# KiCad board ZX-Spectrum-Pentagon.kicad_pcb (continued)
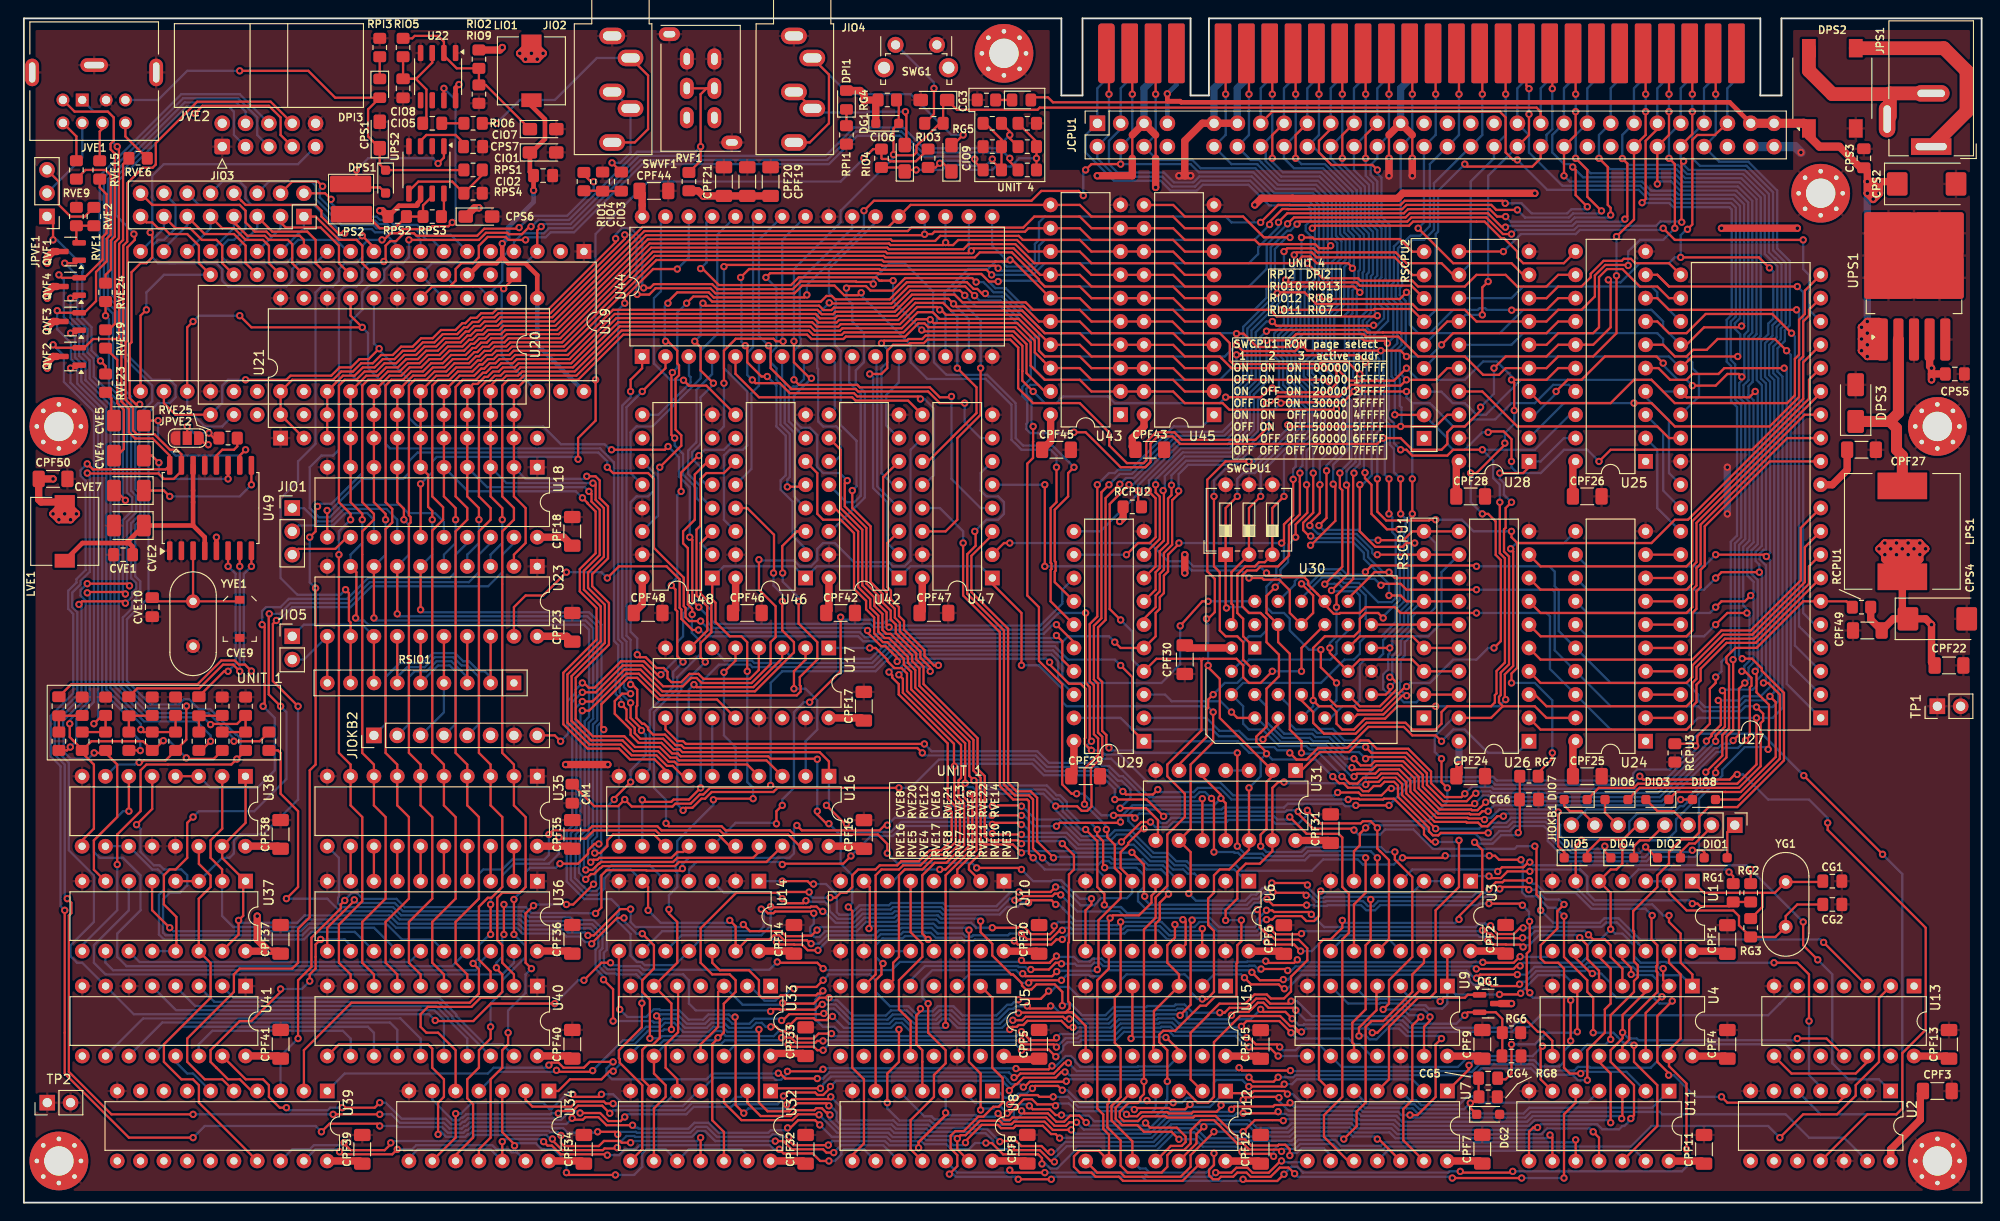
[diagram p0: board, top side]
## Library data of the parts
CG1 CG2 CG5 CG6 CIO2-CIO5 CIO8 CM1 CPF1-CPF50 CPS3 CPS5 CPS7 CVE1 CVE3 CVE6 CVE8 CVE10 = -: Description: Unpolarized capacitor; ki_fp_filters: C_*
CG3 CIO1 CIO6 CIO7 CIO9 CPS1 CPS2 CPS4 CPS6 CVE2 CVE4 CVE5 CVE7 = -: Description: Polarized capacitor; ki_fp_filters: CP_*
CG4 = -: Description: Unpolarized capacitor; Sim.Device: SPICE; Sim.Params: type="R" model="" lib=""; Sim.Pins: 1=1 2=2; ki_fp_filters: C_*
CVE9 = -: Description: Trimmable capacitor
DG1 DG2 DIO1-DIO8 DPS1 DPS3 = -: Description: Diode; Sim.Device: D; Sim.Pins: 1=K 2=A; ki_fp_filters: TO-???* *_Diode_* *SingleDiode* D_*
DPI1-DPI3 = -: Description: Light emitting diode; ki_fp_filters: LED* LED_SMD:* LED_THT:*
DPS2 = -: Description: Diode bridge, +ve/-ve/AC/AC; ki_fp_filters: D*Bridge* D*Rectifier*
H1-H6 = -: Description: Mounting Hole with connection; ki_fp_filters: MountingHole*Pad*
JCPU1 = -: Description: Generic connector, double row, 02x30, odd/even pin numbering scheme (row 1 odd numbers, row 2 even numbers), script generated (kicad-library-utils/schlib/autogen/connector/); ki_fp_filters: Connector*:*_2x??_*
JIO1 JPVE1 = -: Description: Generic connector, single row, 01x03, script generated; ki_fp_filters: Connector*:*_1x??_*
JIO2 JIO4 = -: Description: Audio Jack, 2 Poles (Mono / TS), Grounded Sleeve, Switched Pole (Normalling); ki_fp_filters: Jack*
JIO3 = -: Description: Generic connector, double row, 02x08, odd/even pin numbering scheme (row 1 odd numbers, row 2 even numbers), script generated (kicad-library-utils/schlib/autogen/connector/); ki_fp_filters: Connector*:*_2x??_*
JIO5 = -: Description: Generic connector, single row, 01x02, script generated; ki_fp_filters: Connector*:*_1x??_*
JIOKB1 JIOKB2 = -: Description: Generic connector, single row, 01x08, script generated; ki_fp_filters: Connector*:*_1x??_*
JPVE2 = -: Description: Solder Jumper, 3-pole, open; ki_fp_filters: SolderJumper*Open*
JVE1 = -: Datasheet: https://eu.mouser.com/datasheet/2/670/md_sm_series-1778126.pdf
JVE2 = -: Description: Generic connector, double row, 02x05, odd/even pin numbering scheme (row 1 odd numbers, row 2 even numbers), script generated (kicad-library-utils/schlib/autogen/connector/); ki_fp_filters: Connector*:*_2x??_*
LIO1 LPS1 LPS2 LVE1 = -: Description: Inductor; ki_fp_filters: Choke_* *Coil* Inductor_* L_*
QG1 QVF1-QVF4 = -: Datasheet: https://www.farnell.com/datasheets/79215.pdf
RCPU1-RCPU3 RG1-RG8 RIO1-RIO13 RPI1-RPI3 RPS1-RPS4 RVE1-RVE24 RVF1 = -: Description: Resistor; ki_fp_filters: R_*
RVE25 = -: Description: Resistor; SMD_CODE: 103; ki_fp_filters: R_*
SWCPU1 = -: Description: 3x DIP Switch, Single Pole Single Throw (SPST) switch, small symbol
SWG1 = -: Description: Push button switch, generic, two pins
TP1 TP2 = -: Description: 2-polar test point; ki_fp_filters: Pin* Test*
U1 U7 = -: Datasheet: https://www.ti.com/lit/ug/scyd013b/scyd013b.pdf; Description: Hex Inverters; ki_fp_filters: *DIP*14*W7.62mm *SO*14*
U2 U14 = -: Datasheet: https://www.ti.com/lit/ug/scyd013b/scyd013b.pdf; Description: 2-ch. 4-bit Binary Counters; ki_fp_filters: *DIP*14*W7.62mm *SO*14*
U3 = -: Datasheet: https://www.ti.com/lit/ug/scyd013b/scyd013b.pdf; Description: Hex Schmitt-Trigger Inverters; ki_fp_filters: *DIP*14*W7.62mm *SO*14*
U4 = -: Datasheet: https://www.ti.com/lit/ug/scyd013b/scyd013b.pdf; Description: Triple 3-Input Positive-AND Gates; ki_fp_filters: *DIP*14*7.62mm *SO*14*
U5 U10 = -: Datasheet: https://www.ti.com/lit/ug/scyd013b/scyd013b.pdf; Description: 4-bit Synchronous Up/Down Counters (Dual Clock With Clear); ki_fp_filters: *DIP*16*W7.62mm *SO*16*
U6 U17 U42 U46-U48 = -: Datasheet: https://www.ti.com/lit/ug/scyd013b/scyd013b.pdf; Description: Quadruple 2-Line To 1-Line Data Selectors/Multiplexers With 3-State Outputs; ki_fp_filters: *DIP*16*W7.62mm* *SO*16*
U8 U32 = -: Datasheet: https://www.ti.com/lit/ug/scyd013b/scyd013b.pdf; Description: Quadruple 2-Input Positive-NAND Gates; ki_fp_filters: **DIP*14*W7.62mm* *SO*14*
U9 = -: Datasheet: https://www.ti.com/lit/ug/scyd013b/scyd013b.pdf; Description: Quadruple 2-Input Exclusive-OR Gates; ki_fp_filters: *DIP*14*W7.62mm* *SO*14*
U11 = -: Datasheet: https://www.ti.com/lit/ug/scyd013b/scyd013b.pdf; Description: Quadruple 2-Input Positive-NOR Gates; ki_fp_filters: **DIP*14*W7.62mm* *SO*14*
U12 U34 = -: Datasheet: https://www.ti.com/lit/ug/scyd013b/scyd013b.pdf; Description: Quadruple 2-Input Positive-AND Gates; ki_fp_filters: *DIP*14*W7.62mm* *SO*14*
U13 U15 U33 = -: Datasheet: https://www.ti.com/lit/ug/scyd013b/scyd013b.pdf; Description: Dual D-Type Positive-Edge-Triggered Flip-Flops With Clear And Preset; ki_fp_filters: *DIP*14*W7.62mm *SO*14*
U16 = -: Datasheet: https://www.ti.com/lit/ug/scyd013b/scyd013b.pdf; Description: 8-ch. D-Type Flip-Flops With Clear; ki_fp_filters: *DIP*20*W7.62mm* *SO*20*
U18 U35 U36 U40 U45 = -: Datasheet: https://www.ti.com/lit/ug/scyd013b/scyd013b.pdf; Description: Octal Edge-Triggered D-Type Flip-flops With 3-State Outputs; ki_fp_filters: *DIP*20*W7.62mm* *SO*20*
U19 = -: Datasheet: https://pdf1.alldatasheet.com/datasheet-pdf/view/166797/ETC1/AY-3-8910/+0W5J-9VwSwJbDbEYG.hvv+/datasheet.pdf; Description: Programmable Sound Generator; ki_fp_filters: DIP40*W15.24mm
U20 = -: Datasheet: https://pdf1.alldatasheet.com/datasheet-pdf/view/166797/ETC1/AY-3-8910/+0W5J-9VwSwJbDbEYG.hvv+/datasheet.pdf; Description: Programmable Sound Generator; ki_fp_filters: DIP28*W15.24mm
U21 = -: Datasheet: https://pdf1.alldatasheet.com/datasheet-pdf/view/166797/ETC1/AY-3-8910/+0W5J-9VwSwJbDbEYG.hvv+/datasheet.pdf; Description: Programmable Sound Generator; ki_fp_filters: DIP24*W15.24mm
U22 = -: Datasheet: https://www.st.com/resource/en/datasheet/lm311.pdf; Description: Voltage Comparator, DIP-8/SOIC-8; ki_fp_filters: SOIC*3.9x4.9mm*P1.27mm* DIP*W7.62mm*
U23-U26 U43 = -: Datasheet: https://www.ti.com/lit/ug/scyd013b/scyd013b.pdf; Description: Octal Bus Transceivers With 3-State Outputs; ki_fp_filters: *DIP*20*W7.62mm* *SO*20*
U27 = -: Datasheet: www.zilog.com/manage_directlink.php?filepath=docs/z80/um0080; Description: 8-Bit General Purpose Microprocessor; ki_fp_filters: DIP* PDIP*
U28 = -: Datasheet: https://www.ti.com/lit/ug/scyd013b/scyd013b.pdf; Description: Octal Buffers/Drivers With 3-State Outputs; ki_fp_filters: *DIP*20*W7.62mm* *SO*20*
U29 U39 = -: Datasheet: https://www.latticesemi.com/-/media/LatticeSemi/Documents/DataSheets/GAL/GAL16V8DataSheet.ashx?document_id=106
U30 = -: Description: Generic Flash ROM 4Mbit(512Kbx8)
U31 = -: Datasheet: https://www.ti.com/lit/ug/scyd013b/scyd013b.pdf; Description: Quadruple 2-Input Positive-OR Gates; ki_fp_filters: *DIP*14*W7.62mm* *SO*14*
U37 U38 = -: Datasheet: https://www.ti.com/lit/ug/scyd013b/scyd013b.pdf; Description: Dual 4-Line To 1-Line Data Selectors/Multiplexers; ki_fp_filters: *DIP*16*W7.62mm* *SO*16*
U41 = -: Datasheet: https://www.ti.com/lit/ug/scyd013b/scyd013b.pdf; Description: 8-bit Parallel-Load Shift Registers; ki_fp_filters: **DIP*16*W7.62mm* *SO*16*
U44 = -: Description: Static Random Access Memory 4Mbit(512BX8); ki_fp_filters: *DIP*32*15.24*
U49 = -: Datasheet: https://www.analog.com/media/en/technical-documentation/data-sheets/AD724.pdf; Description: RGB to NTSC/PAL Encoder
UPS1 = -: Datasheet: http://www.ti.com/lit/ds/symlink/lm2596.pdf; Description: 5.0V 3A Step-Down Voltage Regulator, TO-263; ki_fp_filters: TO*263
UPS2 = -: Datasheet: http://www.onsemi.com/pub_link/Collateral/MC34063A-D.PDF; Description: 1.5A, step-up/down/inverting switching regulator, 3-40V Vin, 100kHz; ki_fp_filters: DIP*W7.62mm*
YG1 YVE1 = -: Description: Two pin crystal; ki_fp_filters: Crystal*

## Footprints (pads in the part's own frame, mm; a bottom-side part is the same pattern mirrored in y, then rotated)
BarrelJack_Wuerth_6941xx301002
  rect 4.4x1.8 hole 3.4x0.8: 1(0,0)
  oval 4x1.8 hole 3x0.8: 2(0,-5.8)
  oval 1.8x4 hole 0.8x3: 3(4.8,-3)
C_0805_2012Metric_Pad1.18x1.45mm_HandSolder
  rrect 1.175x1.45 smd: 1(-1.038,0) 2(1.038,0)
C_1206_3216Metric_Pad1.33x1.80mm_HandSolder
  rrect 1.325x1.8 smd: 1(-1.562,0) 2(1.562,0)
C_Trimmer_Murata_TZC3
  rect 0.85x1 smd: 1(-2.075,0) 2(2.075,0)
CD43
  rrect 4.5x1.8 smd: 1(0,1.65) 2(0.1,-1.65)
CP_EIA-3216-18_Kemet-A_Pad1.58x1.35mm_HandSolder
  rrect 1.575x1.35 smd: 1(-1.438,0) 2(1.438,0)
CP_EIA-3528-21_Kemet-B_Pad1.50x2.35mm_HandSolder
  rrect 1.5x2.35 smd: 1(-1.625,0) 2(1.625,0)
CP_EIA-7343-31_Kemet-D_Pad2.25x2.55mm_HandSolder
  rrect 2.25x2.55 smd: 1(-3.2,0) 2(3.2,0)
Crystal_HC49-U_Vertical
  round 1.5 hole 0.8: 1(0,0) 2(4.88,0)
CUI_MD-80SMK
  rect 1.408x1.408 hole 0.9: 1(0,0)
  round 1.408 hole 0.9: 2(2.6,0) 3(-2.1,0) 4(0,-2.5) 5(4.7,0) 6(-2.1,-2.5) 7(2.2,-2.5) 8(4.7,-2.5)
  oval 1.5x3 hole 0.7x2.2: S1(-5.45,3) S2(8.05,3)
  oval 3x1.5 hole 2.2x0.7: S3(1.3,3.8)
D_SMA
  rrect 2.5x1.8 smd: 1(-2,0) 2(2,0)
D_SOD-323_HandSoldering
  rrect 1x1 smd: 1(-1.25,0) 2(1.25,0)
Diode_Bridge_Vishay_DFS
  rect 2x1.5 smd: 1(-4.37,2.55) 2(-4.37,-2.55) 3(4.37,-2.55) 4(4.37,2.55)
DIP-14_W7.62mm
  rect 1.6x1.6 hole 0.8: 1(0,0)
  oval 1.6x1.6 hole 0.8: 2(0,-2.54) 3(0,-5.08) 4(0,-7.62) 5(0,-10.16) 6(0,-12.7) 7(0,-15.24) 8(7.62,-15.24) 9(7.62,-12.7) 10(7.62,-10.16) 11(7.62,-7.62) 12(7.62,-5.08) 13(7.62,-2.54) 14(7.62,0)
DIP-16_W7.62mm
  rect 1.6x1.6 hole 0.8: 1(0,0)
  oval 1.6x1.6 hole 0.8: 2(0,-2.54) 3(0,-5.08) 4(0,-7.62) 5(0,-10.16) 6(0,-12.7) 7(0,-15.24) 8(0,-17.78) 9(7.62,-17.78) 10(7.62,-15.24) 11(7.62,-12.7) 12(7.62,-10.16) 13(7.62,-7.62) 14(7.62,-5.08) 15(7.62,-2.54) 16(7.62,0)
DIP-20_W7.62mm
  rect 1.6x1.6 hole 0.8: 1(0,0)
  oval 1.6x1.6 hole 0.8: 2(0,-2.54) 3(0,-5.08) 4(0,-7.62) 5(0,-10.16) 6(0,-12.7) 7(0,-15.24) 8(0,-17.78) 9(0,-20.32) 10(0,-22.86) 11(7.62,-22.86) 12(7.62,-20.32) 13(7.62,-17.78) 14(7.62,-15.24) 15(7.62,-12.7) 16(7.62,-10.16) 17(7.62,-7.62) 18(7.62,-5.08) 19(7.62,-2.54) 20(7.62,0)
DIP-24_W15.24mm
  rect 1.6x1.6 hole 0.8: 1(0,0)
  oval 1.6x1.6 hole 0.8: 2(0,-2.54) 3(0,-5.08) 4(0,-7.62) 5(0,-10.16) 6(0,-12.7) 7(0,-15.24) 8(0,-17.78) 9(0,-20.32) 10(0,-22.86) 11(0,-25.4) 12(0,-27.94) 13(15.24,-27.94) 14(15.24,-25.4) 15(15.24,-22.86) 16(15.24,-20.32) 17(15.24,-17.78) 18(15.24,-15.24) 19(15.24,-12.7) 20(15.24,-10.16) 21(15.24,-7.62) 22(15.24,-5.08) 23(15.24,-2.54) 24(15.24,0)
DIP-28_W15.24mm
  rect 1.6x1.6 hole 0.8: 1(0,0)
  oval 1.6x1.6 hole 0.8: 2(0,-2.54) 3(0,-5.08) 4(0,-7.62) 5(0,-10.16) 6(0,-12.7) 7(0,-15.24) 8(0,-17.78) 9(0,-20.32) 10(0,-22.86) 11(0,-25.4) 12(0,-27.94) 13(0,-30.48) 14(0,-33.02) 15(15.24,-33.02) 16(15.24,-30.48) 17(15.24,-27.94) 18(15.24,-25.4) 19(15.24,-22.86) 20(15.24,-20.32) 21(15.24,-17.78) 22(15.24,-15.24) 23(15.24,-12.7) 24(15.24,-10.16) 25(15.24,-7.62) 26(15.24,-5.08) 27(15.24,-2.54) 28(15.24,0)
DIP-32_W15.24mm
  rect 1.6x1.6 hole 0.8: 1(0,0)
  oval 1.6x1.6 hole 0.8: 2(0,-2.54) 3(0,-5.08) 4(0,-7.62) 5(0,-10.16) 6(0,-12.7) 7(0,-15.24) 8(0,-17.78) 9(0,-20.32) 10(0,-22.86) 11(0,-25.4) 12(0,-27.94) 13(0,-30.48) 14(0,-33.02) 15(0,-35.56) 16(0,-38.1) 17(15.24,-38.1) 18(15.24,-35.56) 19(15.24,-33.02) 20(15.24,-30.48) 21(15.24,-27.94) 22(15.24,-25.4) 23(15.24,-22.86) 24(15.24,-20.32) 25(15.24,-17.78) 26(15.24,-15.24) 27(15.24,-12.7) 28(15.24,-10.16) 29(15.24,-7.62) 30(15.24,-5.08) 31(15.24,-2.54) 32(15.24,0)
DIP-40_W15.24mm
  rect 1.6x1.6 hole 0.8: 1(0,0)
  oval 1.6x1.6 hole 0.8: 2(0,-2.54) 3(0,-5.08) 4(0,-7.62) 5(0,-10.16) 6(0,-12.7) 7(0,-15.24) 8(0,-17.78) 9(0,-20.32) 10(0,-22.86) 11(0,-25.4) 12(0,-27.94) 13(0,-30.48) 14(0,-33.02) 15(0,-35.56) 16(0,-38.1) 17(0,-40.64) 18(0,-43.18) 19(0,-45.72) 20(0,-48.26) 21(15.24,-48.26) 22(15.24,-45.72) 23(15.24,-43.18) 24(15.24,-40.64) 25(15.24,-38.1) 26(15.24,-35.56) 27(15.24,-33.02) 28(15.24,-30.48) 29(15.24,-27.94) 30(15.24,-25.4) 31(15.24,-22.86) 32(15.24,-20.32) 33(15.24,-17.78) 34(15.24,-15.24) 35(15.24,-12.7) 36(15.24,-10.16) 37(15.24,-7.62) 38(15.24,-5.08) 39(15.24,-2.54) 40(15.24,0)
EDGE_28M5-2.54
  rrect 1.8x6.5 smd far side: A1(-34.29,0) A2(-31.75,0) A3(-29.21,0) A4(-26.67,0) A6(-21.59,0) A7(-19.05,0) A8(-16.51,0) A9(-13.97,0) A10(-11.43,0) A11(-8.89,0) A12(-6.35,0) A13(-3.81,0) A14(-1.27,0) A15(1.27,0) A16(3.81,0) A17(6.35,0) A18(8.89,0) A19(11.43,0) A20(13.97,0) A21(16.51,0) A22(19.05,0) A23(21.59,0) A24(24.13,0) A25(26.67,0) A26(29.21,0) A27(31.75,0) A28(34.29,0)
  rrect 1.8x6.5 smd: B1(-34.29,0) B2(-31.75,0) B3(-29.21,0) B4(-26.67,0) B6(-21.59,0) B7(-19.05,0) B8(-16.51,0) B9(-13.97,0) B10(-11.43,0) B11(-8.89,0) B12(-6.35,0) B13(-3.81,0) B14(-1.27,0) B15(1.27,0) B16(3.81,0) B17(6.35,0) B18(8.89,0) B19(11.43,0) B20(13.97,0) B21(16.51,0) B22(19.05,0) B23(21.59,0) B24(24.13,0) B25(26.67,0) B26(29.21,0) B27(31.75,0) B28(34.29,0)
IDC-Header_2x05_P2.54mm_Horizontal
  rrect 1.7x1.7 hole 1: 1(0,0)
  round 1.7 hole 1: 2(2.54,0) 3(0,-2.54) 4(2.54,-2.54) 5(0,-5.08) 6(2.54,-5.08) 7(0,-7.62) 8(2.54,-7.62) 9(0,-10.16) 10(2.54,-10.16)
Jack_3.5mm_CUI_SJ1-3535NG_Horizontal
  oval 2.8x1.8 hole 2x1: R(2,-7.9) RN(0,-6.1) S(0,0) T(2,-2.4) TN(0,-11.6)
L_7.3x7.3_H4.5
  rect 1.5x2.2 smd: 1(-3.2,0) 2(3.2,0)
L_12x12mm_H6mm
  rect 2.9x5.4 smd: 1(-4.95,0) 2(4.95,0)
LED_0805_2012Metric_Pad1.15x1.40mm_HandSolder
  rrect 1.15x1.4 smd: 1(-1.025,0) 2(1.025,0)
MountingHole_3.2mm_M3_Pad_Via
  round 0.8 hole 0.5: 1(-2.4,0) 1(-1.697,1.697) 1(-1.697,-1.697) 1(0,2.4) 1(0,-2.4) 1(1.697,1.697) 1(1.697,-1.697) 1(2.4,0)
  round 6.4 hole 3.2: 1(0,0)
PinHeader_1x02_P2.54mm_Vertical
  rect 1.7x1.7 hole 1: 1(0,0)
  oval 1.7x1.7 hole 1: 2(0,-2.54)
PinHeader_1x03_P2.54mm_Vertical
  rect 1.7x1.7 hole 1: 1(0,0)
  oval 1.7x1.7 hole 1: 2(0,-2.54) 3(0,-5.08)
PinHeader_1x08_P2.54mm_Vertical
  rect 1.7x1.7 hole 1: 1(0,0)
  oval 1.7x1.7 hole 1: 2(0,-2.54) 3(0,-5.08) 4(0,-7.62) 5(0,-10.16) 6(0,-12.7) 7(0,-15.24) 8(0,-17.78)
PinSocket_2x08_P2.54mm_Vertical
  rect 1.7x1.7 hole 1: 1(0,0)
  oval 1.7x1.7 hole 1: 2(-2.54,0) 3(0,-2.54) 4(-2.54,-2.54) 5(0,-5.08) 6(-2.54,-5.08) 7(0,-7.62) 8(-2.54,-7.62) 9(0,-10.16) 10(-2.54,-10.16) 11(0,-12.7) 12(-2.54,-12.7) 13(0,-15.24) 14(-2.54,-15.24) 15(0,-17.78) 16(-2.54,-17.78)
PinSocket_2x30_P2.54mm_Vertical
  rect 1.7x1.7 hole 1: 1(1.27,36.83)
  oval 1.7x1.7 hole 1: 2(-1.27,36.83) 3(1.27,34.29) 4(-1.27,34.29) 5(1.27,31.75) 6(-1.27,31.75) 7(1.27,29.21) 8(-1.27,29.21) 11(1.27,24.13) 12(-1.27,24.13) 13(1.27,21.59) 14(-1.27,21.59) 15(1.27,19.05) 16(-1.27,19.05) 17(1.27,16.51) 18(-1.27,16.51) 19(1.27,13.97) 20(-1.27,13.97) 21(1.27,11.43) 22(-1.27,11.43) 23(1.27,8.89) 24(-1.27,8.89) 25(1.27,6.35) 26(-1.27,6.35) 27(1.27,3.81) 28(-1.27,3.81) 29(1.27,1.27) 30(-1.27,1.27) 31(1.27,-1.27) 32(-1.27,-1.27) 33(1.27,-3.81) 34(-1.27,-3.81) 35(1.27,-6.35) 36(-1.27,-6.35) 37(1.27,-8.89) 38(-1.27,-8.89) 39(1.27,-11.43) 40(-1.27,-11.43) 41(1.27,-13.97) 42(-1.27,-13.97) 43(1.27,-16.51) 44(-1.27,-16.51) 45(1.27,-19.05) 46(-1.27,-19.05) 47(1.27,-21.59) 48(-1.27,-21.59) 49(1.27,-24.13) 50(-1.27,-24.13) 51(1.27,-26.67) 52(-1.27,-26.67) 53(1.27,-29.21) 54(-1.27,-29.21) 55(1.27,-31.75) 56(-1.27,-31.75) 57(1.27,-34.29) 58(-1.27,-34.29) 59(1.27,-36.83) 60(-1.27,-36.83)
PLCC-32_THT-Socket
  rect 1.422x1.422 hole 0.8: 1(0,0)
  round 1.422 hole 0.8: 2(-2.54,2.54) 3(-2.54,0) 4(-5.08,2.54) 5(-7.62,0) 6(-5.08,0) 7(-7.62,-2.54) 8(-5.08,-2.54) 9(-7.62,-5.08) 10(-5.08,-5.08) 11(-7.62,-7.62) 12(-5.08,-7.62) 13(-7.62,-10.16) 14(-5.08,-12.7) 15(-5.08,-10.16) 16(-2.54,-12.7) 17(-2.54,-10.16) 18(0,-12.7) 19(0,-10.16) 20(2.54,-12.7) 21(5.08,-10.16) 22(2.54,-10.16) 23(5.08,-7.62) 24(2.54,-7.62) 25(5.08,-5.08) 26(2.54,-5.08) 27(5.08,-2.54) 28(2.54,-2.54) 29(5.08,0) 30(2.54,2.54) 31(2.54,0) 32(0,2.54)
PS-22F03
  oval 1.5x2.3 hole 0.7x1.3: 1(-1.5,3.2) 2(-1.5,0) 3(-1.5,-3.2) 4(1.5,3.2) 5(1.5,0) 6(1.5,-3.2)
  oval 2.3x1.5 hole 1.3x0.7: 7(-3.4,5.9) 8(3.4,-5.9)
R_0805_2012Metric_Pad1.20x1.40mm_HandSolder
  rrect 1.2x1.4 smd: 1(-1,0) 2(1,0)
R_Array_SIP9
  rect 1.6x1.6 hole 0.8: 1(0,0)
  oval 1.6x1.6 hole 0.8: 2(2.54,0) 3(5.08,0) 4(7.62,0) 5(10.16,0) 6(12.7,0) 7(15.24,0) 8(17.78,0) 9(20.32,0)
SO-8_3.9x4.9mm_P1.27mm
  rrect 1.75x0.6 smd: 1(-2.575,1.905) 2(-2.575,0.635) 3(-2.575,-0.635) 4(-2.575,-1.905) 5(2.575,-1.905) 6(2.575,-0.635) 7(2.575,0.635) 8(2.575,1.905)
SOIC-16W_7.5x10.3mm_P1.27mm
  rrect 2.05x0.6 smd: 1(-4.65,4.445) 2(-4.65,3.175) 3(-4.65,1.905) 4(-4.65,0.635) 5(-4.65,-0.635) 6(-4.65,-1.905) 7(-4.65,-3.175) 8(-4.65,-4.445) 9(4.65,-4.445) 10(4.65,-3.175) 11(4.65,-1.905) 12(4.65,-0.635) 13(4.65,0.635) 14(4.65,1.905) 15(4.65,3.175) 16(4.65,4.445)
SolderJumper-3_P1.3mm_Open_RoundedPad1.0x1.5mm
  custom 1.05x1.5 smd: 1(-1.3,0) 3(1.3,0)
  rect 1x1.5 smd: 2(0,0)
SOT-23
  rrect 1.475x0.6 smd: 1(-0.938,0.95) 2(-0.938,-0.95) 3(0.938,0)
SW_DIP_SPSTx03_Slide_6.7x9.18mm_W7.62mm_P2.54mm_LowProfile
  rect 1.6x1.6 hole 0.8: 1(0,0)
  oval 1.6x1.6 hole 0.8: 2(0,-2.54) 3(0,-5.08) 4(7.62,-5.08) 5(7.62,-2.54) 6(7.62,0)
SW_Tactile_SPST_Angled_PTS645Vx39-2LFS
  round 2.1 hole 1.3: (-1.25,-2.49) (5.76,-2.49)
  round 1.75 hole 0.99: 1(0,0) 2(4.5,0)
TO-263-5_TabPin3
  rrect 4.6x1.1 smd: 1(-7.65,3.4) 2(-7.65,1.7) 3(-7.65,0) 4(-7.65,-1.7) 5(-7.65,-3.4)
  rrect 4.55x5.25 smd: 3(-0.925,2.775) 3(-0.925,-2.775) 3(3.925,2.775) 3(3.925,-2.775)
  rrect 9.4x10.8 smd: 3(1.5,0)

## Nets
/+12V: CPS1.1 DPI3.2 DPS1.1 JVE1.5 RPS1.2
GND: CG1.2 CG2.1 CG3.2 CG4.2 CG6.1 CIO1.2 CIO2.2 CIO4.2 CIO7.2 CIO8.2 CM1.2 CPF1.2 CPF2.2 CPF3.2 CPF4.2 CPF5.2 CPF6.2 CPF7.2 CPF8.2 CPF9.2 CPF10.2 CPF11.2 CPF12.2 CPF13.2 CPF14.2 CPF15.2 CPF16.2 CPF17.2 CPF18.2 CPF19.2 CPF20.2 CPF21.2 CPF22.2 CPF23.2 CPF24.2 CPF25.2 CPF26.2 CPF27.2 CPF28.2 CPF29.2 CPF30.2 CPF31.2 CPF32.2 CPF33.2 CPF34.2 CPF35.2 CPF36.2 CPF37.2 CPF38.2 CPF39.2 CPF40.2 CPF41.2 CPF42.2 CPF43.2 CPF44.2 CPF45.2 CPF46.2 CPF47.2 CPF48.2 CPF49.2 CPF50.2 CPS1.2 CPS2.2 CPS3.2 CPS4.2 CPS5.2 CPS6.2 CPS7.2 CVE1.2 CVE2.2 CVE9.2 CVE10.2 DG2.2 DPS2.2 DPS3.2 H1.1 H2.1 H3.1 H4.1 H5.1 H6.1 JCPU1.11 JCPU1.13 JCPU1.27 JCPU1.58 JCPU1.60 JIO2.S JIO4.S JIOKB2.7 JPVE2.1 JVE1.2 JVE1.S1 JVE1.S2 JVE1.S3 JVE2.1 JVE2.10 RCPU3.2 RG6.1 RG8.1 RIO9.2 RIO12.2 RIO13.2 RPI1.2 RPI2.2 RPI3.2 RPS4.2 RVE1.1 RVE12.2 RVE13.2 RVE14.2 RVE20.2 RVE21.2 RVE22.2 SWCPU1.4 SWCPU1.5 SWCPU1.6 SWG1.2 SWVF1.1 SWVF1.4 SWVF1.7 SWVF1.8 TP1.1 TP1.2 TP2.1 TP2.2 U1.7 U2.2 U2.7 U2.12 U3.7 U4.7 U5.8 U5.14 U6.2 U6.8 U6.15 U7.7 U8.7 U9.7 U9.12 U10.1 U10.8 U10.9 U10.10 U10.14 U11.7 U12.7 U13.7 U14.2 U14.7 U15.7 U16.10 U17.8 U17.13 U17.15 U18.1 U18.10 U19.1 U19.24 U20.6 U21.1 U21.19 U21.22 U21.24 U22.1 U22.4 U23.1 U23.10 U24.10 U25.10 U26.10 U27.29 U28.10 U28.19 U29.10 U30.16 U31.7 U32.7 U33.7 U34.7 U35.1 U35.10 U36.1 U36.10 U37.8 U38.8 U38.12 U38.13 U39.10 U40.1 U40.10 U41.1 U41.6 U41.8 U42.8 U42.15 U43.10 U44.16 U44.24 U45.10 U46.8 U46.15 U47.8 U47.15 U48.8 U48.13 U48.15 U49.1 U49.2 U49.13 UPS1.3 UPS1.5 UPS2.2 UPS2.4 XMCPU1.A6 XMCPU1.A7 XMCPU1.A14 YVE1.2
VCC: CPF1.1 CPF2.1 CPF3.1 CPF4.1 CPF5.1 CPF6.1 CPF7.1 CPF8.1 CPF9.1 CPF10.1 CPF11.1 CPF12.1 CPF13.1 CPF14.1 CPF15.1 CPF16.1 CPF17.1 CPF18.1 CPF19.1 CPF20.1 CPF21.1 CPF22.1 CPF23.1 CPF24.1 CPF25.1 CPF26.1 CPF27.1 CPF28.1 CPF29.1 CPF30.1 CPF31.1 CPF32.1 CPF33.1 CPF34.1 CPF35.1 CPF36.1 CPF37.1 CPF38.1 CPF39.1 CPF40.1 CPF41.1 CPF42.1 CPF43.1 CPF44.1 CPF45.1 CPF46.1 CPF47.1 CPF48.1 CPF49.1 CPF50.1 CPS4.1 CPS5.1 CPS6.1 DG1.1 DPI1.2 JCPU1.5 JIOKB2.6 JPVE2.3 JVE2.2 LIO1.1 LPS1.2 LVE1.1 QG1.3 QVF1.3 QVF2.3 QVF3.3 QVF4.3 RCPU1.2 RCPU2.1 RG4.1 RIO2.1 RPS2.1 RSCPU1.1 RSCPU2.1 RSIO1.1 RVF1.1 U1.14 U2.14 U3.14 U4.14 U5.1 U5.4 U5.9 U5.10 U5.11 U5.15 U5.16 U6.11 U6.16 U7.14 U8.14 U9.14 U10.4 U10.15 U10.16 U11.14 U12.14 U13.1 U13.4 U13.10 U13.13 U13.14 U14.14 U15.1 U15.4 U15.10 U15.13 U15.14 U16.20 U17.14 U17.16 U18.20 U19.25 U19.28 U20.17 U20.19 U21.23 U22.8 U23.20 U24.1 U24.20 U25.1 U25.20 U26.20 U27.11 U28.20 U29.20 U30.31 U30.32 U31.14 U32.14 U33.1 U33.4 U33.10 U33.13 U33.14 U34.14 U35.20 U36.20 U37.16 U38.16 U39.7 U39.8 U39.9 U39.11 U39.20 U40.20 U41.9 U41.16 U42.16 U43.1 U43.20 U44.32 U45.20 U46.16 U47.16 U48.10 U48.16 U49.5 UPS1.4 UPS2.6 XMCPU1.A3
/A0: JCPU1.17 U25.16 U29.8 U30.12 U42.5 XMCPU1.A9
/A1: JCPU1.19 U25.17 U29.6 U30.11 U42.2 XMCPU1.A10
/A2: JCPU1.21 U25.18 U30.10 U42.14 XMCPU1.A11
/A3: JCPU1.23 U24.11 U30.9 U42.11 XMCPU1.A12
/A4: JCPU1.47 U24.12 U30.8 U46.5 XMCPU1.A24
/A5: JCPU1.45 U24.13 U29.2 U30.7 U46.2 XMCPU1.A23
/A6: JCPU1.43 U24.14 U30.6 U46.14 XMCPU1.A22
/A7: JCPU1.41 U24.15 U29.3 U30.5 U47.11 XMCPU1.A21
/A8: DIO3.1 JCPU1.52 U24.16 U30.27 U47.14 XMCPU1.B26
/A9: DIO6.1 JCPU1.53 U24.17 U30.26 U47.5 XMCPU1.A27
/A10: DIO7.1 JCPU1.54 U24.18 U30.23 U47.2 XMCPU1.B27
/A11: DIO8.1 JCPU1.55 U25.15 U30.25 U48.5 XMCPU1.A28
/A12: DIO5.1 JCPU1.3 U25.14 U30.4 U48.2 XMCPU1.A2
/A13: DIO4.1 JCPU1.4 U25.13 U30.28 U48.14 XMCPU1.B2
/A14: DIO2.1 JCPU1.1 U8.5 U17.3 U17.10 U25.12 U29.5 U31.13 XMCPU1.A1
/A15: DIO1.1 JCPU1.2 U8.4 U17.6 U25.11 U29.1 U31.12 XMCPU1.B1
/ATTR: U32.8 U35.11
/AYCLK: U2.5 U19.22 U20.15 U21.20
/BC1: U19.29 U20.20 U21.3 U29.15
/BDIR: U19.27 U20.18 U21.2 U29.14
/BL: CG4.1 QG1.2 RG6.2 U37.1 U37.15 U38.1 U38.15
/BORDER: U13.6 U37.2 U38.2
/C3: U1.12 U36.11
/C16: U7.10 U43.19 U44.29
/C19: U8.11 U45.1
/C20: U11.12 U32.6 U45.11
/C25: RCPU1.1 U1.6 U4.1 U15.2 U27.6
/C29: U9.9 U11.6 U32.9 U33.9
/C30: U6.1 U32.12 U33.8
/C31: U3.2 U3.3 U15.3 U15.11
/CBRDB: U18.19 U37.3 U37.4
/CBRDG: U18.17 U38.3 U38.4
/CBRDR: U18.18 U37.12 U37.13
/CPU: U32.5 U33.5 U34.9
/CPU/BUSACK: U3.6 U24.19 U25.19 U26.19 U28.1
/CPU/DIR: U26.1 U29.19
/CPU/RA15: JCPU1.40 RSCPU2.6 U30.3 XMCPU1.B20
/CPU/RA16: RSCPU2.7 SWCPU1.1 U30.2
/CPU/RA17: RSCPU2.8 SWCPU1.2 U30.30
/CPU/RA18: RSCPU2.9 SWCPU1.3 U30.1
/CPU/xA0: U25.4 U27.30
/CPU/xA1: U25.3 U27.31
/CPU/xA2: U25.2 U27.32
/CPU/xA3: U24.9 U27.33
/CPU/xA4: U24.8 U27.34
/CPU/xA5: U24.7 U27.35
/CPU/xA6: U24.6 U27.36
/CPU/xA7: U24.5 U27.37
/CPU/xA8: U24.4 U27.38
/CPU/xA9: U24.3 U27.39
/CPU/xA10: U24.2 U27.40
/CPU/xA11: U25.5 U27.1
/CPU/xA12: U25.6 U27.2
/CPU/xA13: U25.7 U27.3
/CPU/xA14: U25.8 U27.4
/CPU/xA15: U25.9 U27.5
/CPU/xD0: U26.8 U27.14
/CPU/xD1: U26.9 U27.15
/CPU/xD2: U26.6 U27.12
/CPU/xD3: U26.3 U27.8
/CPU/xD4: U26.2 U27.7
/CPU/xD5: U26.4 U27.9
/CPU/xD6: U26.5 U27.10
/CPU/xD7: U26.7 U27.13
/CPU/~{BUSACK}: JCPU1.51 U3.5 U28.7 XMCPU1.A26
/CPU/~{BUSRQ}: JCPU1.37 RSCPU2.4 U27.25 XMCPU1.A19
/CPU/~{DI_ULA}: JCPU1.25 RCPU2.2 U29.11 XMCPU1.A13
/CPU/~{HALT}: JCPU1.30 U28.9 XMCPU1.B15
/CPU/~{IORQ}: JCPU1.34 U28.16 U29.7 XMCPU1.B17
/CPU/~{M1}: JCPU1.48 U28.5 U29.9 XMCPU1.B24
/CPU/~{NMI}: JCPU1.28 RSCPU2.2 U27.17 XMCPU1.B14
/CPU/~{ROMCE}: U30.22 U31.6
/CPU/~{ROMSEL}: JCPU1.49 RCPU3.1 U31.1 XMCPU1.A25
/CPU/~{WAIT}: JCPU1.42 RSCPU2.5 U27.24 XMCPU1.B21
/CPU/~{WR}: JCPU1.38 U28.14 U29.12 XMCPU1.B19
/CPU/~{xBUSACK}: U27.23 U28.13
/CPU/~{xHALT}: U27.18 U28.11
/CPU/~{xIORQ}: U27.20 U28.4
/CPU/~{xM1}: U27.27 U28.15
/CPU/~{xMREQ}: U27.19 U28.2
/CPU/~{xRD}: U27.21 U28.8
/CPU/~{xRFSH}: U27.28 U28.17
/CPU/~{xWR}: U27.22 U28.6
/CS_32765: CM1.1 U16.11 U29.18
/D0: JCPU1.12 RSCPU1.8 U16.3 U18.2 U19.37 U20.28 U21.11 U23.2 U26.12 U30.13 U43.2 U45.19 XMCPU1.B6
/D1: JCPU1.14 RSCPU1.9 U16.4 U18.3 U19.36 U20.27 U21.10 U23.3 U26.11 U30.14 U43.3 U45.18 XMCPU1.B7
/D2: JCPU1.16 RSCPU1.6 U16.7 U18.4 U19.35 U20.26 U21.9 U23.4 U26.14 U30.15 U43.4 U45.17 XMCPU1.B8
/D3: JCPU1.22 RSCPU1.3 U16.8 U18.5 U19.34 U20.25 U21.8 U23.5 U26.17 U30.17 U43.5 U45.16 XMCPU1.B11
/D4: JCPU1.24 RSCPU1.2 U16.13 U18.6 U19.33 U20.24 U21.7 U23.6 U26.18 U30.18 U43.6 U45.15 XMCPU1.B12
/D5: JCPU1.20 RSCPU1.4 U16.14 U18.7 U19.32 U20.23 U21.6 U23.7 U26.16 U30.19 U43.7 U45.14 XMCPU1.B10
/D6: JCPU1.18 RSCPU1.5 U16.17 U18.8 U19.31 U20.22 U21.5 U23.8 U26.15 U30.20 U43.8 U45.13 XMCPU1.B9
/D7: JCPU1.6 RSCPU1.7 U16.18 U18.9 U19.30 U20.21 U21.4 U23.9 U26.13 U30.21 U43.9 U45.12 XMCPU1.B3
/DI_32765: U16.15 U29.13
/DISPLAY: U4.11 U9.10 U31.9 U33.6 U34.1 U42.1 U46.1 U47.1 U48.1
/F25Hz: U13.9 U39.1
/FSYNC: U9.6 U9.13
/Generator/B6: U2.11 U6.6 U14.1
/Generator/B7: U6.13 U14.3
/Generator/B8: U6.3 U14.4
/Generator/B12: U6.5 U6.10 U12.9 U12.13 U14.10
/Generator/B13: U6.14 U11.5 U12.10 U14.9
/Generator/B50: U10.7 U11.3 U12.4
/Generator/B51: U11.9 U12.12 U14.8
/Generator/C6: U11.10 U12.5
/GPA6: U34.13 U39.19
/GPA7: U8.10 U39.18
/HSYNC: JVE2.8 U2.13 U8.3 U9.4 U49.16
/InputOutput/CHA: RIO7.1 U19.4 U20.5 U21.17
/InputOutput/CHB: RIO8.1 RIO10.1 U19.3 U20.4 U21.15
/InputOutput/CHC: RIO11.1 U19.38 U20.1 U21.18
/InputOutput/IND5: JIO5.1 RSIO1.7 U23.13
/InputOutput/IND7: JIO5.2 RSIO1.9 U23.11
/InputOutput/IOA0: JIO3.15 U19.21 U20.14
/InputOutput/IOA1: JIO3.13 U19.20 U20.13
/InputOutput/IOA2: JIO3.11 U19.19 U20.12
/InputOutput/IOA3: JIO3.9 U19.18 U20.11
/InputOutput/IOA4: JIO3.7 U19.17 U20.10
/InputOutput/IOA5: JIO3.5 U19.16 U20.9
/InputOutput/IOA6: JIO3.3 U19.15 U20.8
/InputOutput/IOA7: JIO3.1 U19.14 U20.7
/InputOutput/IOB0: JIO3.16 U19.13
/InputOutput/IOB1: JIO3.14 U19.12
/InputOutput/IOB2: JIO3.12 U19.11
/InputOutput/IOB3: JIO3.10 U19.10
/InputOutput/IOB4: JIO3.8 U19.9
/InputOutput/IOB5: JIO3.6 U19.8
/InputOutput/IOB6: JIO3.4 U19.7
/InputOutput/IOB7: JIO3.2 U19.6
/InputOutput/KBA8: DIO3.2 JIOKB1.3
/InputOutput/KBA9: DIO6.2 JIOKB1.6
/InputOutput/KBA10: DIO7.2 JIOKB1.7
/InputOutput/KBA11: DIO8.2 JIOKB1.8
/InputOutput/KBA12: DIO5.2 JIOKB1.5
/InputOutput/KBA13: DIO4.2 JIOKB1.4
/InputOutput/KBA14: DIO2.2 JIOKB1.2
/InputOutput/KBA15: DIO1.2 JIOKB1.1
/InputOutput/KBD0: JIOKB2.1 RSIO1.2 U23.18
/InputOutput/KBD1: JIOKB2.2 RSIO1.3 U23.17
/InputOutput/KBD2: JIOKB2.3 RSIO1.4 U23.16
/InputOutput/KBD3: JIOKB2.4 RSIO1.5 U23.15
/InputOutput/KBD4: JIOKB2.5 RSIO1.6 U23.14
/InputOutput/OURD5: JIO1.1 U18.14
/InputOutput/OURD6: JIO1.2 U18.13
/InputOutput/OURD7: JIO1.3 U18.12
/InputOutput/TapeIn: JIO2.T JIO2.TN RIO6.2
/InputOutput/TAPEINTTL: RSIO1.8 U22.7 U23.12
/InputOutput/TapeOut: CIO3.2 JIO2.R JIO2.RN
/InputOutput/TYPEOUTTTL: RIO1.1 U18.16
/MD0: U35.2 U40.2 U43.18 U44.13 U45.2
/MD1: U35.3 U40.3 U43.17 U44.14 U45.3
/MD2: U35.4 U40.4 U43.16 U44.15 U45.4
/MD3: U35.5 U40.5 U43.15 U44.17 U45.5
/MD4: U35.6 U40.6 U43.14 U44.18 U45.6
/MD5: U35.7 U40.7 U43.13 U44.19 U45.7
/MD6: U35.8 U40.8 U43.12 U44.20 U45.8
/MD7: U35.9 U40.9 U43.11 U44.21 U45.9
/Memory/MA0: U42.7 U44.12
/Memory/MA1: U42.4 U44.11
/Memory/MA2: U42.12 U44.10
/Memory/MA3: U42.9 U44.9
/Memory/MA4: U44.8 U46.7
/Memory/MA5: U44.7 U46.4
/Memory/MA6: U44.6 U46.12
/Memory/MA7: U44.5 U47.9
/Memory/MA8: U44.27 U47.12
/Memory/MA9: U44.26 U47.7
/Memory/MA10: U44.23 U47.4
/Memory/MA11: U44.25 U48.7
/Memory/MA12: U44.4 U48.4
/Memory/MA13: U44.28 U48.12
/Memory/MA14: U44.3 U48.9
/Memory/MA15: U44.31 U46.9
/Memory/MA16: U31.8 U44.2
/Memory/MA17: U34.11 U44.30
/Memory/MA18: U8.8 U44.1
/MX0: U17.4 U48.11
/MX1: U17.7 U46.11
/MX2: U17.9 U31.10
/MX3: U17.12 U34.10
/PA6: U16.16 U39.2
/PA7: U16.19 U39.3
/PIXEL: U32.11 U40.11
/PowerSources/PowA: DPS2.3 JPS1.1
/PowerSources/PowB: DPS2.4 JPS1.2 JPS1.3
/RAS: U15.5 U15.12 U32.4 U34.2
/SA0: U5.6 U13.3 U42.6
/SA1: U5.7 U42.3
/SA2: U7.1 U10.3 U42.13
/SA3: U10.2 U11.2 U42.10
/SA4: U10.6 U12.2 U46.6
/SA5: U14.5 U46.3
/SA6: U4.4 U14.6 U14.13 U46.13
/SA7: U4.5 U14.11 U47.10
/SA8: U6.7 U47.13
/SA9: U6.12 U47.6
/SA10: U6.4 U47.3
/SA11: U6.9 U48.6
/SA12: U7.4 U48.3
/SCRSEL: U16.9 U46.10
/TTLB: JVE2.5 RVE4.2 U37.7
/TTLG: JVE2.4 RVE7.2 U38.7
/TTLR: JVE2.3 RVE10.2 U37.9
/TTLSYNC: RVE3.2 U9.11
/TTLY: JVE2.6 RVE5.2 RVE8.2 RVE11.2 U38.9
/VideoEncoder/BLUE: JVE1.8 RVE6.2
/VideoEncoder/CRMA: JVE1.3 RVE24.1
/VideoEncoder/CVIDEO: JPVE1.1 RVE23.1
/VideoEncoder/ENBLUE: CVE8.2 U49.8
/VideoEncoder/ENGREEN: CVE6.2 U49.7
/VideoEncoder/ENRED: CVE3.2 U49.6
/VideoEncoder/GREEN: JVE1.6 RVE9.2
/VideoEncoder/LUMA: JVE1.1 RVE19.1
/VideoEncoder/RED: JVE1.7 RVE15.2
/VideoEncoder/SYNC: JPVE1.3 RVE2.1
/VideoEncoder/VIDEO: JPVE1.2 JVE1.4
/VideoFormating/512KMOD: RVF1.2 SWVF1.2 SWVF1.5 U39.5
/VideoFormating/BLUE_INK: U36.19 U37.6
/VideoFormating/BLUE_PAPER: U36.16 U37.5
/VideoFormating/BRIGHT: U36.13 U38.10 U38.11
/VideoFormating/FLASL_BIT: U36.12 U39.4
/VideoFormating/GREEN_INK: U36.17 U38.6
/VideoFormating/GREEN_PAPER: U36.14 U38.5
/VideoFormating/RED_INK: U36.18 U37.10
/VideoFormating/RED_PAPER: U36.15 U37.11
/VideoFormating/SERDATA: U39.6 U41.13
/VSYNC: JVE2.7 U3.12 U49.15
/~{C2}: U1.10 U41.15
/~{C25}: JCPU1.15 U1.5 U2.4 U5.5 XMCPU1.A8
/~{CAS}: U15.8 U33.3 U33.11 U44.22
/~{FQUATER}: U31.5 U31.11 U34.5
/~{IN254}: U23.19 U29.17
/~{INT}: JCPU1.26 RG7.1 U27.16 XMCPU1.B13
/~{MREQ}: JCPU1.32 U7.13 U28.18 U31.2 XMCPU1.B16
/~{OUT254}: U18.11 U29.16
/~{PIXCLK}: JVE2.9 U1.8 U41.7
/~{RD}: JCPU1.36 U7.9 U28.12 U29.4 U30.24 U32.1 XMCPU1.B18
/~{RESET}: CG3.1 DG1.2 JCPU1.39 JIOKB2.8 RG4.2 RG5.1 U3.9 XMCPU1.A20
/~{RFSH}: JCPU1.50 U4.9 U28.3 XMCPU1.B25
/~{RST}: RSCPU2.3 U3.10 U16.1 U19.23 U20.16 U21.21 U27.26
/~{ZX128K}: U16.12 U30.29
AYVCC: CIO1.1 CIO2.1 LIO1.2 U19.40 U20.3 U21.13
POWER: CPS2.1 CPS3.1 DPI2.2 DPS2.1 JCPU1.7 JCPU1.57 JCPU1.59 UPS1.1 XMCPU1.A4
Net-(CIO3-Pad1): CIO3.1 CIO4.1 RIO1.2
Net-(CIO5-Pad1): CIO5.1 RIO6.1
Net-(CIO6-Pad1): CIO6.1 RIO4.2 RIO7.2 RIO8.2 RIO13.1
Net-(CIO6-Pad2): CIO6.2 JIO4.R JIO4.RN
Net-(CIO9-Pad1): CIO9.1 RIO3.2 RIO10.2 RIO11.2 RIO12.1
Net-(CIO9-Pad2): CIO9.2 JIO4.T JIO4.TN
Net-(CVE3-Pad1): CVE3.1 RVE18.2 RVE22.1
Net-(CVE4-Pad2): CVE4.2 RVE19.2
Net-(CVE5-Pad2): CVE5.2 RVE23.2
Net-(CVE6-Pad1): CVE6.1 RVE17.2 RVE21.1
Net-(CVE7-Pad2): CVE7.2 RVE24.2
Net-(CVE8-Pad1): CVE8.1 RVE16.2 RVE20.1
Net-(DG2-K): CG5.1 DG2.1 RG8.2 U7.5
Net-(DPI1-K): DPI1.1 RPI1.1
Net-(DPI2-K): DPI2.1 RPI2.1
Net-(DPI3-K): DPI3.1 RPI3.1
Net-(DPS1-A): DPS1.2 LPS2.1 UPS2.1
Net-(DPS3-K): DPS3.1 LPS1.1 UPS1.2
Net-(JPVE2-C): JPVE2.2 RVE25.2
Net-(QG1-B): QG1.1 U9.3
Net-(QVF1-B): QVF1.1 RVE3.1
Net-(QVF1-E): QVF1.2 RVE1.2 RVE2.2
Net-(QVF2-B): QVF2.1 RVE4.1 RVE5.1 RVE12.1
Net-(QVF2-E): QVF2.2 RVE6.1 RVE16.1
Net-(QVF3-B): QVF3.1 RVE7.1 RVE8.1 RVE13.1
Net-(QVF3-E): QVF3.2 RVE9.1 RVE17.1
Net-(QVF4-B): QVF4.1 RVE10.1 RVE11.1 RVE14.1
Net-(QVF4-E): QVF4.2 RVE15.1 RVE18.1
Net-(RG5-Pad2): RG5.2 SWG1.1
Net-(U1A-A): CG1.1 RG3.1 U1.1 YG1.1
Net-(U1A-~{Y}): CG2.2 RG3.2 U1.2 U1.3 YG1.2
Net-(U1B-~{Y}): RG1.1 U1.4
Net-(U1D-A): U1.9 U2.3
Net-(U1E-A): U1.11 U4.12
Net-(U1F-A): U1.13 U4.13 U5.2
Net-(U2A-C): RG2.2 U2.1 U3.4
Net-(U3A-A): RG1.2 RG2.1 U3.1
Net-(U3D-~{Y}): U3.8 U3.11
Net-(U3F-A): CG5.2 U3.13 U4.6 U9.1 U9.5
Net-(U4A-B): U4.2 U5.3
Net-(U7A-~{Y}): U7.2 U8.1
Net-(U7C-~{Y}): CG6.2 RG7.2 U7.6
Net-(U7D-~{Y}): U7.8 U8.12
Net-(U10-UP): U5.12 U10.5
Net-(U10-~{CR}): U10.11 U10.12
Net-(U11A-~{Y}): U8.2 U11.1 U12.1
Net-(U11B-~{Y}): U7.3 U11.4
Net-(U11C-A): U4.3 U11.8 U12.8 U13.11
Net-(U11D-A): U11.11 U32.3
Net-(U11D-~{Y}): U7.11 U11.13
Net-(U12A-~{Y}): U9.2 U12.3
Net-(U12B-~{Y}): U12.6 U13.2
Net-(U12D-~{Y}): U12.11 U14.12
Net-(U13B-D): U13.8 U13.12
Net-(U16-Q0): U16.2 U17.2
Net-(U16-Q1): U16.5 U17.5
Net-(U16-Q2): U16.6 U17.11
Net-(U17-~{A}/B): U8.6 U17.1
Net-(U18-Q4): RIO3.1 RIO4.1 U18.15
Net-(U22-+): CIO7.1 RIO2.2 RIO5.2 RIO9.1 U22.2
Net-(U22--): CIO5.2 CIO8.1 RIO5.1 U22.3
Net-(U31A-Y): U31.3 U31.4
Net-(U32A-B): U4.10 U8.13 U32.2 U34.6
Net-(U32C-B): U32.10 U32.13 U34.3
Net-(U33A-D): U4.8 U33.2
Net-(U33B-D): U9.8 U33.12
Net-(U34B-A): U7.12 U34.4
Net-(U34C-~{Y}): U8.9 U34.8 U34.12
Net-(U35-Q0): U35.19 U36.2
Net-(U35-Q1): U35.18 U36.3
Net-(U35-Q2): U35.17 U36.4
Net-(U35-Q3): U35.16 U36.5
Net-(U35-Q4): U35.15 U36.6
Net-(U35-Q5): U35.14 U36.7
Net-(U35-Q6): U35.13 U36.8
Net-(U35-Q7): U35.12 U36.9
Net-(U37-SE0): U37.14 U38.14 U39.17
Net-(U40-Q0): U40.19 U41.2
Net-(U40-Q1): U40.18 U41.3
Net-(U40-Q2): U40.17 U41.4
Net-(U40-Q3): U40.16 U41.5
Net-(U40-Q4): U40.15 U41.10
Net-(U40-Q5): U40.14 U41.11
Net-(U40-Q6): U40.13 U41.12
Net-(U40-Q7): U40.12 U41.14
Net-(U49-4FSC/~{FSC}): RVE25.1 U49.12
Net-(U49-APOS): CVE1.1 CVE2.1 LVE1.2 U49.4 U49.14
Net-(U49-COMP): CVE5.1 U49.10
Net-(U49-CRMA): CVE7.1 U49.9
Net-(U49-FIN): CVE9.1 CVE10.1 U49.3 YVE1.1
Net-(U49-LUMA): CVE4.1 U49.11
Net-(UPS2-DC): RPS3.2 UPS2.8
Net-(UPS2-Ipk): LPS2.2 RPS2.2 RPS3.1 UPS2.7
Net-(UPS2-TC): CPS7.1 UPS2.3
Net-(UPS2-Vfb): RPS1.1 RPS4.1 UPS2.5

Pads without a net: JCPU1 8 29 31 33 35 44 46 56; SWVF1 3 6; U2 6 8 9 10; U5 13; U10 13; U13 5; U15 6 9; U19 2 5 26 39; U20 2; U21 12 14 16; U22 5 6; U39 12 13 14 15 16; XMCPU1 A15 A16 A17 A18 B4 B22 B23 B28

## Via types
v1: diameter 0.8, hole 0.4, Top to Bottom, 1162 vias

## Routing (per net, layer and track width the routed paths; a pad name or vN(x,y) marks a point on that pad's centre or on a via; arc(x,y) is an arc through that point)
/+12V: length 47.9
  Top w0.25: RPS1.2 47.87,112.47 DPS1.1 38.73,113.1 CPS1.1 37.46,116.13 37.46,119.08 DPI3.2 33.89,120.35 30.96,123.28 v1(23.49,123.28)
  Bottom w0.25: v1(23.49,123.28) 17.78,123.28 14.6,120.11 JVE1.5
